# Altium PCB HAWACO_DATALOGER_DT-G2_V1.0.PcbDoc (part 2 of 3)
Units mm, origin at the board's own origin, x right, y up, seen from the top; angles counter-clockwise.
Board outline 100 x 100 mm, 4 copper layers (Top Layer, Layer 2, Layer 3, Bottom Layer), stack 1.597 mm thick; 246 components, 185 nets, 854 pads, 980 vias.
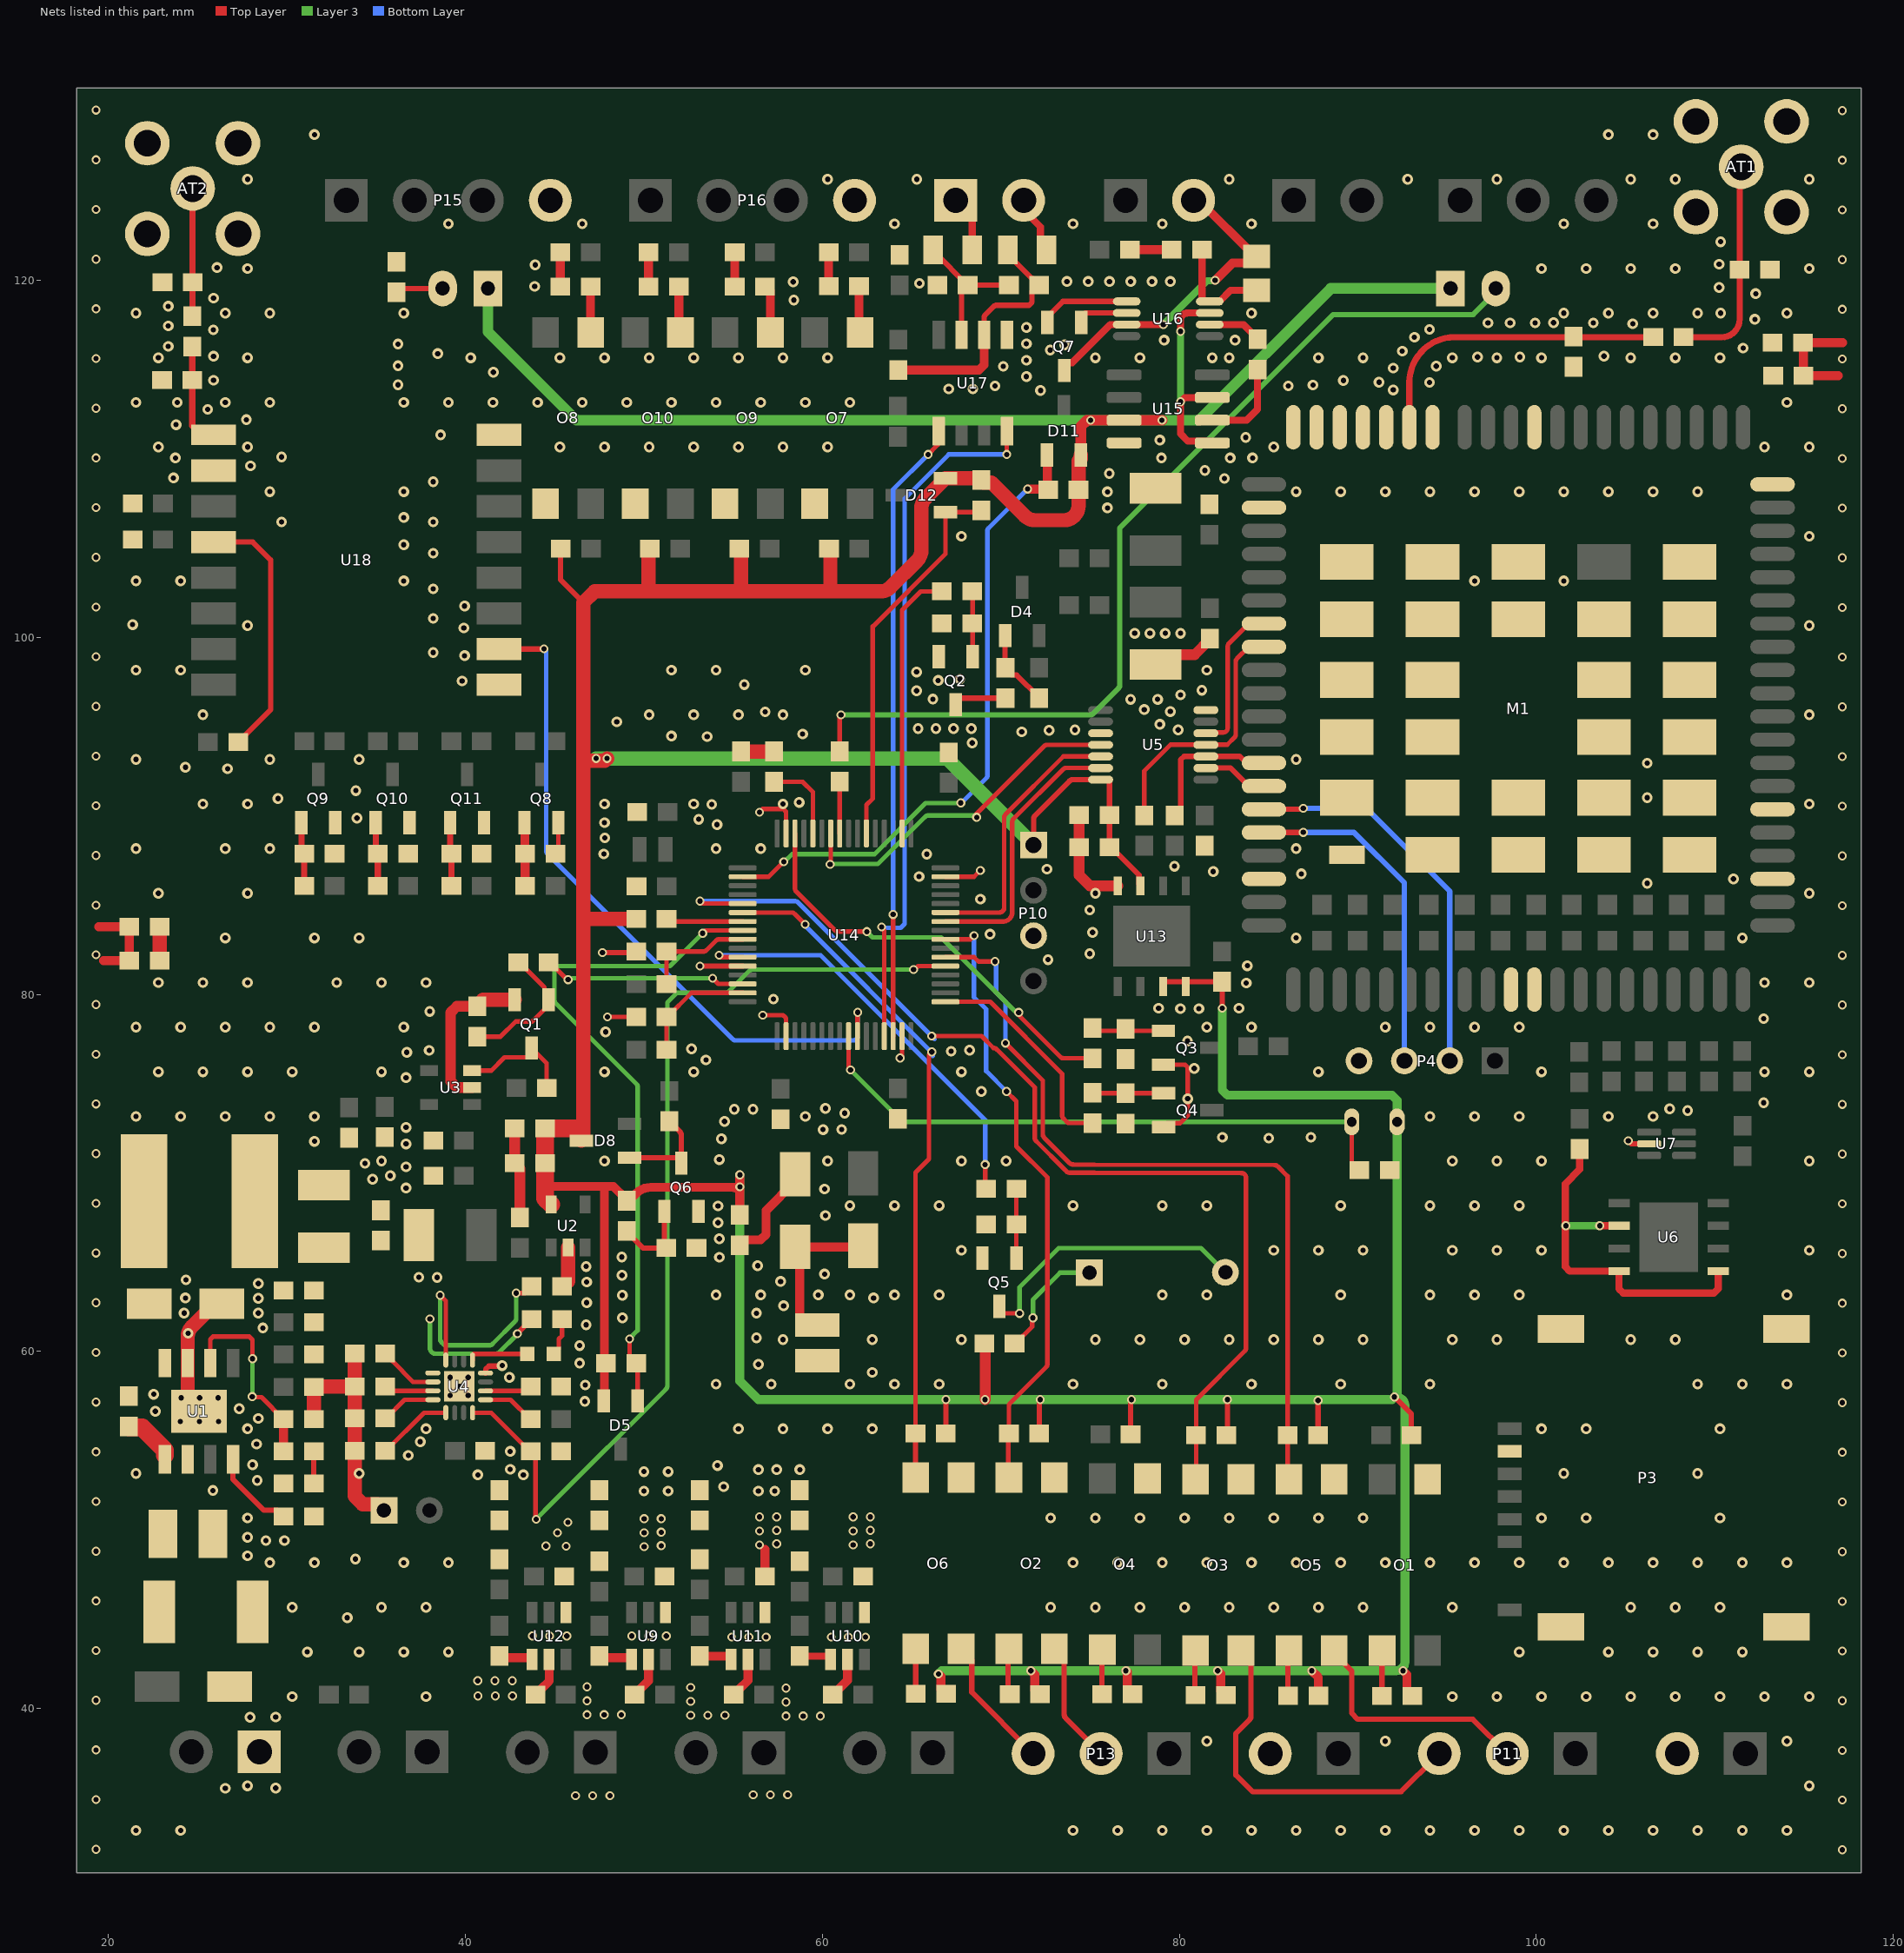
[diagram p4: the nets of this part, all layers, seen from the top]

## Via types
v1: diameter 0.6, hole 0.3, Top Layer to Bottom Layer, tented both sides, 674 vias
v2: diameter 0.5, hole 0.3, Top Layer to Bottom Layer, tented both sides, 306 vias

## Nets (pads, with @x,y where several pads share a name; then routed paths per layer and width w, separated by ;. In a path a pad name is that pad's centre, name@x,y a point inside that pad or via, vN(x,y) a via of type N, cw(c..) or ccw(c..) an arc to the next point about the centre after c; other vN are vias at no path point) (continued)
+3V3: C14.2 C15.2 C20.1 C39.2 D5.2 D6.1 D7.1 D8.3 D11.2 D12.2 P10.1 R35.2 R46.2 R49.1 R50.1 R53.1 R54.1 R55.1 R58.2 R59.1 R61.1 R62.1 R63.1 R66.1 R67.1 R68.1 R69.1 R72.2 R73.1 R74.1 R79.2 R83.2 R87.2 R92.2 R100.2 R112.2 U2.5 U5.14 U13.3 U13.7 U13.8 U15.3 | length 373.2
  Top Layer w0.254: 44.461,69.342 44.562,69.241
  Top Layer w0.3: R87.2@45.332,104.966 45.332,103.223 46.604,101.951 ; R92.2@55.34,104.966 R92.2@55.44,104.866 ; 63.2,102.714 63.332,102.582 ; R67.1@66.915,55.397 v2(66.915,57.302) ; P10.1@71.831,88.367 71.831,89.812 cw(c72.131,89.812) 71.919,90.025 73.837,91.942 cw(c74.049,91.73) 74.049,92.03 U5.14@75.587,92.03 75.698,92.03 75.705,92.037 76.016,92.037 76.085,91.968 76.085,88.29 76.135,88.29 77.741,86.684 77.741,86.159 U13.3@77.816,86.084 ; R50.1@72.148,55.397 72.148,57.252 v2(72.198,57.302) ; R61.1@77.267,55.347 77.267,57.252 v2(77.317,57.302) ; U13.7@79.086,80.444 79.086,80.634 79.161,80.709 R55.1@82.398,80.709 v2(82.398,79.229) ; R59.1@82.638,55.296 82.688,55.346 v2(82.688,57.302) ; R66.1@87.769,55.296 v2(87.769,57.252) ; v2(92.051,57.449) 93.001,56.498 R49.1@93.001,55.296
  Top Layer w0.5: 44.562,69.241 47.783,69.241 ; D5.2@47.746,57.225 47.783,57.263 47.783,69.241 ; R74.1@48.943,68.593 48.296,69.241 47.783,69.241 ; R74.1@49.047,68.439 ccw(c48.971,68.832) 49.254,68.549 49.548,68.843 cw(c50.385,68.007) 50.388,69.19 54.965,69.19 cw(c54.965,68.69) 55.318,69.043 v2@55.372,69.097 ; R72.2@55.372,67.652 v2@55.372,69.097 ; v2(55.372,69.89) v2(55.372,69.215) v2@55.372,69.097 ; v2(66.497,41.933) 66.635,41.795 66.635,41.061 66.885,40.811 R69.1@66.935,40.811 ; v2(71.679,42.111) 71.899,41.891 71.899,41.042 72.149,40.792 R54.1@72.199,40.792 ; v2(77.005,42.111) 77.08,42.036 77.08,41.042 77.33,40.792 R63.1@77.38,40.792 ; v2(82.144,42.111) 82.313,41.942 82.313,40.992 82.563,40.742 R62.1@82.613,40.742 ; v2(87.413,42.111) 87.788,41.736 R68.1@87.788,40.71 ; v2(92.532,42.111) 92.752,41.891 92.752,40.941 93.002,40.691 R53.1@93.052,40.691
  Top Layer w0.6: R35.2@69.067,60.452 R35.2@69.067,60.452 69.076,60.429 cw(c68.516,60.214) 69.116,60.214 v2(69.116,57.302) ; D11.2@74.472,110.221 74.472,111.815 74.823,112.166 v2(75.022,112.166) U15.3@76.905,112.166 v2(79.025,112.166)
  Top Layer w0.8: D8.3@46.494,71.8 46.604,71.91 46.604,84.235 ; v2(47.934,93.218) 47.809,93.093 46.604,93.093 ; R73.1@49.565,84.235 46.604,84.235 ; R100.2@50.336,104.966 50.259,104.89 50.259,102.578 ; R92.2@55.44,104.866 55.44,102.582 ; R79.2@60.369,104.966 60.443,104.892 60.443,102.582 ; 63.253,102.578 ccw(c63.253,103.378) 63.818,102.812 65.309,104.303 ccw(c64.743,104.869) 65.543,104.869 65.543,107.234 cw(c66.343,107.234) 65.778,107.8 D12.2@66.893,108.916 68.9,108.916 68.9,108.774 68.993,108.681 69.466,108.681 71.347,106.8 ccw(c71.912,107.366) 71.912,106.566 73.546,106.566 ccw(c73.546,107.366) 74.346,107.366 R83.2@74.346,108.269 74.346,109.896 74.472,110.021 D11.2@74.472,110.221 ; 63.332,102.582 60.443,102.582 ; 46.604,84.235 46.604,93.093 ; 46.604,93.093 46.604,101.951 47.232,102.578 50.259,102.578 ; 50.259,102.578 55.44,102.578 55.44,102.582 ; 55.44,102.582 60.443,102.582
  Top Layer w1: U2.5@44.795,68.231 44.461,68.565 44.461,69.342 C15.2@44.461,70.536 C14.2@44.461,72.492 46.395,72.492
  Layer 3 w0.5: v2(55.372,69.89) v2(55.372,69.215) 55.372,58.344 56.413,57.302 v2(66.915,57.302) v2(69.116,57.302) v2(72.198,57.302) v2(77.317,57.302) v2(82.688,57.302) 91.904,57.302 v2(92.051,57.449) cw(c92.134,56.956) 92.634,56.956 92.634,42.611 cw(c92.134,42.611) 92.134,42.111 v2(87.413,42.111) v2(82.144,42.111) v2(77.005,42.111) v2(71.679,42.111) 66.675,42.111 v2(66.497,41.933) ; v2(82.398,79.229) 82.398,74.65 82.69,74.357 91.904,74.357 92.197,74.064 R58.2@92.197,72.857 v2@92.197,57.595
  Layer 3 w0.6: D7.1@41.258,119.548 41.258,117.12 46.212,112.166 v2(75.022,112.166) v2(79.025,112.166) 81.101,112.166 88.482,119.548 D6.1@95.191,119.548
  Layer 3 w0.8: v2(47.32,93.218) v2(47.934,93.218) 66.98,93.218 P10.1@71.831,88.367
+5V: C2.1 C3.2 C4.2 C5.2 L1.2 R2.2 R16.2 U4.13 | length 8.3
  Top Layer w0.3: v2(42.907,60.993) 42.964,61.073 R16.2@43.706,61.815
  Layer 3 w0.254: v2(38.008,61.815) 38.008,60.184 ccw(c38.308,60.185) 38.095,59.973 38.113,59.955 ccw(c38.325,60.167) 38.325,59.867 41.686,59.867 ccw(c41.686,60.167) 41.898,59.955 42.844,60.901 ccw(c42.632,61.113) 42.9,60.979 42.907,60.991 v2(42.907,60.993)
A: F3.2 P19.2 | length 3.3
  Top Layer w0.4: P19.2@71.272,124.485 71.272,123.944 72.215,123.002 72.215,122.053 F3.2@72.565,121.703
ADC_24V: R51.1 R56.2 U14.15 | length 6.7
  Top Layer w0.254: R51.1@51.265,76.907 R56.2@51.265,78.739 51.315,78.739 52.663,80.087 U14.15@55.534,80.087
ADC_VBAT: R52.1 R57.2 U14.9 | length 6.4
  Top Layer w0.254: R52.1@51.265,80.571 R57.2@51.265,82.403 53.322,82.403 ccw(c53.322,82.657) 53.502,82.477 54.037,83.012 cw(c54.218,82.833) 54.216,83.087 ; 54.218,83.087 U14.9@55.534,83.087
AGND: C29.2 C30.2 C31.2 C32.2 C34.1 C35.1 C36.1 C37.1 L4.2 L5.2 L6.2 L7.2 R42.1 R43.1 R44.1 R45.1 U9.2 U9.4 U10.2 U10.4 U11.2 U11.4 U12.2 U12.4 | length 10.8
  Top Layer w0.5: R45.1@43.916,40.775 43.966,40.775 44.216,41.025 44.216,41.062 44.69,41.536 U12.2@44.69,42.746 ; R42.1@49.472,40.775 49.522,40.775 49.772,41.025 49.772,41.062 50.26,41.549 U9.2@50.26,42.746 ; R44.1@55.028,40.775 55.078,40.775 55.328,41.025 55.328,41.062 55.829,41.563 U11.2@55.829,42.746 ; C31.2@56.775,47.387 56.779,47.391 56.779,48.906 ; R43.1@60.584,40.775 60.634,40.775 60.884,41.025 60.884,41.062 61.399,41.577 U10.2@61.399,42.746
  other v2: 46.165,35.108 47.129,35.108 48.093,35.108 56.122,35.159 57.086,35.159 58.05,35.159 57.957,39.574 58.921,39.574 59.885,39.574 52.614,39.614 53.578,39.614 54.542,39.614 46.805,39.646 47.769,39.646 48.733,39.646 57.957,40.355 52.614,40.395 46.805,40.426 40.704,40.696 41.668,40.696 42.632,40.696 57.957,41.135 52.614,41.175 46.805,41.207 40.689,41.554 41.654,41.554 42.618,41.554 54.918,43.995 55.882,43.995 56.846,43.995 60.488,43.995 61.452,43.995 62.416,43.995 43.751,44.061 44.715,44.061 45.679,44.061 49.321,44.061 50.285,44.061 51.249,44.061 50.008,49.056 44.505,49.097 45.64,49.087 50.967,49.116 56.474,49.156 61.724,49.156 57.433,49.216 62.683,49.216 45.156,49.841 50.008,49.841 50.967,49.87 56.474,49.941 61.724,49.941 57.433,49.97 62.683,49.97 45.74,50.422 50.008,50.625 50.967,50.625 56.474,50.725 57.433,50.725 61.724,50.725 62.683,50.725
B: F2.2 P19.1 | length 3.2
  Top Layer w0.4: P19.1@67.462,124.485 68.393,123.554 F2.2@68.393,121.703
BAT_CHRG: D3.2 U4.9 | length 3.4
  Top Layer w0.254: U4.9@40.398,59.516 40.398,59.794 40.463,59.859 D3.2@43.456,59.859
BUSY: U14.26 U18.10 | length 38.6
  Top Layer w0.254: U14.26@61.964,77.657 61.964,78.982 v2(61.976,78.994)
  Top Layer w0.3: U18.10@41.884,99.343 44.378,99.343 v2(44.399,99.365)
  Bottom Layer w0.254: v2(44.399,99.365) 44.452,99.312 cw(c44.272,99.133) 44.526,99.133 44.526,88.038 ccw(c44.78,88.04) 44.601,87.86 54.967,77.494 ccw(c55.147,77.673) 55.147,77.419 61.722,77.419 ccw(c61.722,77.673) 61.976,77.673 v2(61.976,78.994)
BUZZER: R41.1 U14.11 | length 24
  Top Layer w0.254: v2(54.209,82.197) 54.319,82.087 U14.11@55.534,82.087 ; v2(69.118,70.468) 69.118,69.16 R41.1@69.168,69.11
  Bottom Layer w0.254: v2(54.209,82.197) 59.894,82.197 69.118,72.973 v2(69.118,70.468)
CIR1: O3.2 P11.3 | length 20.3
  Top Layer w0.3: O3.2@83.414,43.236 84.014,42.636 84.014,39.574 cw(c83.714,39.574) 83.926,39.362 83.163,38.599 83.163,36.271 84.102,35.331 92.424,35.331 94.385,37.292 94.564,37.292 P11.3@94.564,37.471
CIR2: O6.2 P13.3 | length 7.5
  Top Layer w0.3: O6.2@67.767,43.338 68.367,42.738 68.367,40.91 P13.3@71.806,37.471
CIRIN1: O3.4 R59.2 U14.5 | length 59.7
  Top Layer w0.254: v2(53.135,85.224) 53.156,85.224 53.293,85.087 U14.5@55.534,85.087 ; v2(66.123,77.666) 66.129,77.66 68.922,77.66 69.582,77 cw(c69.581,76.746) 69.76,76.926 ; 69.761,76.926 71.895,74.791 71.895,71.97 ccw(c72.149,71.97) 71.97,71.79 73.566,70.194 73.672,70.088 ; 73.672,70.088 ccw(c73.851,70.268) 73.85,70.014 75.232,70.014 cw(c75.232,69.306) 75.236,70.014 83.48,69.988 ; O3.4@80.874,52.827 80.938,52.891 R59.2@80.938,55.296 80.938,57.291 83.66,60.012 ccw(c83.48,60.192) 83.734,60.192 83.734,69.734 83.734,69.736 ccw(c83.48,69.733) 83.661,69.911 ccw(c83.479,69.734) 83.48,69.988
  Bottom Layer w0.254: v2(53.135,85.224) 58.459,85.224 cw(c58.459,84.97) 58.611,85.173 58.615,85.171 cw(c58.463,84.967) 58.64,85.149 58.642,85.148 66.291,77.498 v2(66.123,77.666)
CIRIN2: O6.4 R67.2 U14.6 | length 38.3
  Top Layer w0.254: U14.6@55.534,84.587 58.259,84.587 cw(c58.259,84.333) 58.439,84.512 v2(59.03,83.922) ; R67.2@65.215,55.397 65.215,70.016 65.975,70.776 65.975,76.621 v2(66.131,76.776)
  Top Layer w0.3: R67.2@65.215,55.397 65.215,52.94 O6.4@65.227,52.928
  Bottom Layer w0.254: v2(59.03,83.922) ccw(c59.282,83.953) 59.102,83.773 66.099,76.776 v2(66.131,76.776) ; v2@66.044,76.689 v2@66.171,76.562
DIR1: O5.2 P11.2 | length 13.6
  Top Layer w0.3: O5.2@88.621,43.236 88.621,43.136 89.651,42.106 89.651,39.737 89.992,39.395 96.45,39.395 P11.2@98.374,37.471
DIR2: O2.2 P13.2 | length 7
  Top Layer w0.3: O2.2@72.949,43.338 73.549,42.738 73.549,39.662 ccw(c73.849,39.662) 73.637,39.45 P13.2@75.616,37.471
DIRIN1: O5.4 R66.2 U14.38 | length 45.4
  Top Layer w0.254: U14.38@66.894,82.087 68.493,82.087 68.742,81.839 v2(69.672,81.839) ; v2(70.252,77.272) 72.349,75.175 72.349,72.158 ccw(c72.603,72.158) 72.424,71.978 73.86,70.542 ccw(c74.039,70.722) 74.038,70.468 75.23,70.468 cw(c75.232,69.306) 75.237,70.468 85.334,70.441 cw(c85.334,70.187) 85.513,70.366 ; 85.514,70.366 86.069,69.811 R66.2@86.069,55.296 86.069,52.838 O5.4@86.081,52.827
  Bottom Layer w0.254: v2(69.672,81.839) 69.728,81.783 69.728,80.121 70.252,79.596 v2(70.252,77.272)
DIRIN2: O2.4 R50.2 U14.40 | length 34.6
  Top Layer w0.254: U14.40@66.894,83.087 68.291,83.087 68.49,83.287 v2(68.496,83.287) ; v2(70.318,74.567) 70.868,74.017 70.868,71.486 72.603,69.751 72.603,59.297 cw(c72.349,59.297) 72.529,59.118 70.522,57.111 ccw(c70.702,56.931) 70.448,56.931 R50.2@70.448,55.397 70.409,55.358 O2.4@70.409,52.928
  Bottom Layer w0.254: v2(68.496,83.287) 68.49,83.281 68.49,79.85 69.176,79.164 69.176,75.709 v2(70.318,74.567)
DM: M1.70 P4.3 | length 19
  Top Layer w0.305: M1.70@84.737,89.07 84.741,89.074 86.94,89.074 v2(86.944,89.078)
  Bottom Layer w0.305: v2(86.944,89.078) 89.779,89.078 92.607,86.25 P4.3@92.607,76.279
DP: M1.69 P4.2 | length 21.9
  Top Layer w0.3: M1.69@84.737,90.37 86.89,90.37 v2(86.944,90.424)
  Bottom Layer w0.3: v2(86.944,90.424) 90.5,90.424 95.147,85.778 P4.2@95.147,76.279
"EN_4-20mA IN": D5.1 R46.1 U14.8 | length 38.3
  Top Layer w0.254: v2(49.193,60.699) 49.193,59.707 49.566,59.334 R46.1@49.568,59.334 ; R46.1@49.296,59.607 R46.1@49.568,59.334 ; D5.1@49.646,57.225 49.646,59.257 R46.1@49.568,59.334 ; v2(53.293,83.425) 53.456,83.587 U14.8@55.534,83.587
  Layer 3 w0.254: v2(49.193,60.699) 49.193,60.725 49.646,61.177 49.646,74.811 ccw(c49.392,74.811) 49.57,74.992 45.058,79.505 cw(c45.237,79.684) 44.983,79.684 44.983,81.339 cw(c45.237,81.339) 45.237,81.593 51.461,81.593 v2(53.293,83.425)
EN_LORA: R7.1 U14.14 | length 11.4
  Top Layer w0.254: R7.1@44.665,81.802 44.715,81.802 45.693,80.825 v2(45.754,80.825) ; v2(53.848,80.901) 54.162,80.587 U14.14@55.534,80.587
  Layer 3 w0.254: v2(45.754,80.825) 45.831,80.901 v2(53.848,80.901)
EN_OUT4-20mA: D11.1 R83.1 U14.2 | length 36.2
  Top Layer w0.254: U14.2@55.534,86.587 56.982,86.587 57.827,87.432 v2(57.831,87.432)
  Top Layer w0.5: v2(71.496,108.311) R83.1@72.605,108.311 ; D11.1@72.572,110.221 72.609,110.184 72.609,108.315 R83.1@72.605,108.311 ; R83.1@72.646,108.269 R83.1@72.605,108.311
  Layer 3 w0.254: v2(57.831,87.432) 57.871,87.432 58.297,87.859 62.926,87.859 65.778,90.71 67.733,90.71 v2(67.755,90.732)
  Bottom Layer w0.254: v2(67.755,90.732) 67.799,90.732 69.168,92.101 ccw(c68.989,92.281) 69.243,92.281 69.243,105.952 cw(c69.497,105.952) 69.317,106.131 v2(71.496,108.311)
EN_RS485: D12.1 R112.1 U14.54 | length 21.9
  Top Layer w0.254: U14.54@62.464,89.017 62.464,90.616 62.822,90.974 62.822,100.608 66.893,104.68 D12.1@66.893,107.016 68.793,107.016 R112.1@68.893,107.116
GND: AT1.2 AT2.2 C2.2 C3.1 C4.1 C6.1 C8.1 C9.2 C10.2 C11.1 C12.1 C13.1 C14.1 C15.1 C16.1 C17.1 C18.1 C19.2 C20.2 C22.2 C23.2 C24.2 C25.2 C33.1 C38.1 C39.1 C40.1 C41.1 C42.1 C43.1 C44.1 C45.1 C46.2 C48.1 C49.1 C50.1 D2.1 L4.1 L5.1 L6.1 L7.1 M1.8 M1.9 M1.19 M1.22 M1.36 M1.46 M1.48 M1.50 M1.51 M1.52 M1.53 M1.54 M1.56 M1.72 M1.85 M1.86 M1.87 M1.89 M1.90 M1.91 M1.92 M1.93 M1.94 M1.95 M1.96 M1.97 M1.98 M1.99 M1.100 M1.101 M1.102 M1.103 M1.104 M1.105 M1.106 M1.107 M1.108 M1.109 M1.110 M1.111 M1.112 O1.3 O2.3 O3.3 O4.3 O5.3 O6.3 O7.3 O8.3 O9.3 O10.3 P1.1 P2.1 P3.5 P3.8 P3.9 P4.4 P9.2 P10.3 P12.2 P15.4 P16.4 Q1.2 Q2.2 Q3.2 Q4.2 Q5.2 Q6.2 Q8.2 Q9.2 Q10.2 Q11.2 R3.1 R4.1 R6.2 R9.1 R10.2 R11.2 R12.1 R13.1 R14.1 R15.1 R24.1 R25.1 R26.1 R29.1 R30.1 R36.1 R47.1 R48.1 R56.1 R57.1 R60.1 R65.1 R71.2 R75.1 R88.1 R89.1 R99.1 R101.1 R104.2 R108.1 R109.1 U1.7 U1.9 U2.2 U3.2 U4.8 U4.17 U5.7 U7.2 U13.4 U14.12 U14.18 U14.31 U14.47 U14.63 U15.4 U17.5 U18.2 U18.9 U18.16 | length 75.1
  Top Layer w0.254: R88.1@45.04,87.871 45.205,88.037 Q8.2@45.205,89.621 ; v2(47.955,78.739) R56.1@49.565,78.739 ; v2(56.478,90.21) 56.654,90.386 57.815,90.386 57.964,90.237 U14.63@57.964,89.017 ; v2(56.658,78.835) 57.71,78.835 cw(c57.71,78.581) 57.964,78.581 U14.18@57.964,77.657 ; v2(64.354,76.44) 64.464,76.55 U14.31@64.464,77.657 ; U14.47@66.894,86.587 68.49,86.587 v2(68.85,86.947) ; Q3.2@79.101,76.058 80.316,76.058 80.465,75.909 80.465,73.214 80.038,72.787 79.338,72.787 Q4.2@79.115,72.564
  Top Layer w0.3: U4.8@41.123,58.791 41.132,58.8 41.132,59 41.308,59.176 42.028,59.176 v1(42.058,59.205) ; v2(47.676,82.347) 49.509,82.347 R57.1@49.565,82.403 ; v2(53.135,81.587) U14.12@55.534,81.587 ; v2(105.15,71.802) 105.321,71.631 U7.2@106.32,71.631
  Top Layer w0.6: U3.2@40.367,74.778 39.518,74.778 39.167,75.129 39.167,78.985 39.518,79.336 R9.1@40.665,79.336 ; C14.1@42.761,72.492 C15.1@42.761,70.536 42.811,70.536 43.011,70.336 43.011,70.286 43.053,70.244 C11.1@43.053,67.5 ; C20.2@74.385,88.24 74.387,88.242 C20.2@74.387,88.288 ; C20.2@74.385,88.29 C20.2@74.387,88.288 ; C39.1@74.39,90.047 74.387,90.044 C20.2@74.387,88.288 ; U13.4@76.546,86.084 74.98,86.084 74.385,86.679 74.385,88.09 74.485,88.19 C20.2@74.387,88.288 ; C22.2@78.664,98.478 79.219,99.033 80.858,99.033 81.712,99.887 C24.2@81.712,99.937
  Top Layer w0.8: C38.1@22.866,81.89 R48.1@22.866,83.795 ; U1.9@25.07,56.648 24.435,57.283 U1.7@24.435,59.348 24.435,60.819 cw(c25.235,60.819) 24.669,61.385 D2.1@25.696,62.412 ; C8.1@31.5,56.201 R3.1@31.502,58.007 ; R3.1@31.502,58.007 31.519,58.024 33.78,58.024 R11.2@33.797,58.041 ; R10.2@33.797,54.437 R15.1@33.797,59.872 ; R10.2@33.797,54.437 33.797,51.888 34.245,51.44 35.084,51.44 P2.1@35.434,51.09 ; R9.1@40.665,79.336 40.665,79.386 40.977,79.698 Q1.2@42.752,79.698 ; R12.1@45.405,63.644 45.455,63.644 45.745,63.934 U2.2@45.745,65.831 ; C44.1@55.432,93.612 R71.2@57.288,93.612
  other v1: 21.54,33.165 24.04,33.165 74.04,33.165 76.54,33.165 79.04,33.165 81.54,33.165 84.04,33.165 86.54,33.165 89.04,33.165 91.54,33.165 94.04,33.165 96.54,33.165 99.04,33.165 101.54,33.165 104.04,33.165 106.54,33.165 109.04,33.165 111.54,33.165 114.04,33.165 26.543,35.527 29.362,35.536 27.79,35.665 115.29,35.665 81.54,38.165 91.54,38.165 114.04,38.165 27.927,39.506 29.368,39.517 30.29,40.665 37.79,40.665 95.29,40.665 97.79,40.665 100.29,40.665 102.79,40.665 105.29,40.665 107.79,40.665 110.29,40.665 112.79,40.665 115.29,40.665 31.136,43.165 34.04,43.165 36.54,43.165 39.04,43.165 99.04,43.165 104.04,43.165 106.54,43.165 109.04,43.165 111.54,43.165 33.377,45.078 30.29,45.665 35.29,45.665 37.79,45.665 72.79,45.665 75.29,45.665 77.79,45.665 80.29,45.665 82.79,45.665 85.29,45.665 87.79,45.665 90.29,45.665 95.29,45.665 105.29,45.665 107.79,45.665 110.29,45.665 29.04,48.165 31.54,48.165 36.54,48.165 39.04,48.165 74.04,48.165 76.54,48.165 79.04,48.165 81.54,48.165 84.04,48.165 86.54,48.165 89.04,48.165 91.54,48.165 94.04,48.165 96.54,48.165 99.04,48.165 101.54,48.165 104.04,48.165 106.54,48.165 109.04,48.165 111.54,48.165 114.04,48.165 33.838,48.368 27.79,48.547 28.821,49.403 29.859,49.403 27.79,49.584 27.79,50.665 72.79,50.665 75.29,50.665 77.79,50.665 80.29,50.665 82.79,50.665 85.29,50.665 87.79,50.665 90.29,50.665 100.29,50.665 102.79,50.665 110.29,50.665 49.996,52.174 51.358,52.174 56.413,52.174 57.325,52.174 25.848,52.21 54.465,52.425 28.33,52.777 40.691,53.086 43.247,53.085 21.54,53.165 34.04,53.165 101.54,53.165 109.04,53.165 49.996,53.268 51.358,53.268 56.413,53.375 57.433,53.375 58.732,53.375 42.506,53.398 54.12,53.608 28.07,53.653 36.799,54.178 42.506,54.398 28.291,54.807 37.468,54.938 27.79,55.665 37.79,55.665 55.29,55.665 57.79,55.665 60.29,55.665 62.79,55.665 100.29,55.665 102.79,55.665 110.29,55.665 24.028,56.073 25.095,56.073 26.163,56.073 28.394,56.246 22.62,56.648 27.325,56.788 46.685,57.201 24.074,57.398 25.107,57.398 26.14,57.398 22.53,57.6 46.711,58.115 54.04,58.165 57.128,58.165 61.54,58.165 64.04,58.165 66.54,58.165 74.04,58.165 79.04,58.165 84.04,58.165 89.04,58.165 94.04,58.165 109.04,58.165 111.54,58.165 114.04,58.165 42.457,58.542 62.79,58.827 56.413,59.277 46.395,59.341 46.395,60.326 57.79,60.665 62.79,60.665 67.79,60.665 75.29,60.665 77.79,60.665 80.29,60.665 82.79,60.665 85.29,60.665 87.79,60.665 90.29,60.665 95.29,60.665 97.79,60.665 105.29,60.665 107.79,60.665 56.302,60.757 24.458,61.011 28.65,61.312 46.761,61.493 48.797,61.877 56.302,62.141 24.235,62.146 28.394,62.146 57.83,62.553 46.791,62.733 28.394,62.971 24.308,62.992 62.865,62.992 48.787,63.144 54.04,63.165 56.54,63.165 59.768,63.165 61.54,63.165 64.04,63.165 66.54,63.165 79.04,63.165 81.54,63.165 89.04,63.165 94.04,63.165 96.54,63.165 99.04,63.165 114.04,63.165 28.394,63.805 46.791,63.891 57.653,63.918 24.335,64.012 38.409,64.144 37.389,64.156 48.769,64.261 60.119,64.334 46.761,64.759 56.372,64.802 48.756,65.29 54.229,65.278 67.79,65.665 85.29,65.665 87.79,65.665 90.29,65.665 95.29,65.665 97.79,65.665 100.29,65.665 115.29,65.665 54.224,66.306 54.153,67.208 60.17,67.61 54.153,68.148 61.54,68.165 64.04,68.165 66.54,68.165 74.04,68.165 79.04,68.165 81.54,68.165 89.04,68.165 94.04,68.165 96.54,68.165 99.04,68.165 60.119,69.097 36.667,69.151 34.793,69.642 35.789,69.842 36.667,70.342 34.373,70.533 35.29,70.665 47.79,70.665 60.29,70.665 67.79,70.665 70.29,70.665 95.29,70.665 97.79,70.665 100.29,70.665 115.29,70.665 54.224,70.745 36.667,71.623 31.54,71.769 54.338,71.912 85.009,71.943 82.411,71.999 87.369,71.999 60.034,72.428 61.074,72.436 36.667,72.547 54.518,72.886 21.54,73.165 24.04,73.165 26.54,73.165 29.04,73.165 31.54,73.165 59.04,73.165 94.04,73.165 96.54,73.165 99.04,73.165 104.04,73.165 106.54,73.165 61.25,73.349 108.48,73.49 55.06,73.563 56.114,73.563 107.474,73.587 60.171,73.61 112.734,73.928 80.465,74.157 68.901,74.567 36.667,75.336 22.79,75.665 25.29,75.665 27.79,75.665 30.29,75.665 35.29,75.665 47.79,75.665 52.79,75.665 67.79,75.665 87.79,75.665 100.29,75.665 112.79,75.665 115.29,75.665 80.832,75.851 53.476,76.325 36.714,76.751 67.214,76.813 37.967,76.863 68.248,76.877 52.663,76.947 80.451,77.389 47.85,77.902 21.54,78.165 24.04,78.165 26.54,78.165 29.04,78.165 31.54,78.165 36.54,78.165 81.54,78.165 84.04,78.165 91.54,78.165 94.04,78.165 96.54,78.165 99.04,78.165 112.734,78.64 37.997,79.048 80.058,79.205 81.096,79.205 78.837,79.229 83.337,79.229 57.258,79.739 83.75,80.634 22.79,80.665 25.29,80.665 27.79,80.665 32.79,80.665 35.29,80.665 37.79,80.665 112.79,80.665 115.29,80.665 83.809,81.605 72.644,81.947 74.98,82.282 26.54,83.165 31.54,83.165 34.04,83.165 86.54,83.165 111.54,83.165 69.391,83.369 75.133,83.472 74.98,84.729 68.85,85.337 22.79,85.665 27.79,85.665 75.29,85.665 115.29,85.665 106.211,86.228 111.049,86.47 65.418,86.599 86.833,86.753 81.898,86.881 72.581,87.017 79.726,87.18 47.752,87.871 65.845,87.859 21.54,88.165 26.54,88.165 29.04,88.165 54.04,88.165 56.54,88.165 86.54,88.165 47.81,88.771 54.093,89.51 47.79,89.624 53.07,89.811 33.915,89.878 53.795,90.639 25.29,90.665 27.79,90.665 47.79,90.665 52.79,90.665 57.79,90.665 115.29,90.665 58.696,90.758 29.495,90.971 106.211,91.02 33.858,91.415 26.669,92.636 24.308,92.725 106.211,92.955 21.54,93.165 29.04,93.165 34.04,93.165 86.54,93.165 68.394,94.09 53.543,94.437 51.54,94.472 58.892,94.59 71.167,94.71 72.703,94.795 74.151,94.817 79.934,94.817 65.364,94.888 66.356,94.888 67.348,94.888 68.341,94.888 78.903,95.131 48.48,95.271 25.29,95.665 50.29,95.665 52.79,95.665 55.29,95.665 57.79,95.665 115.29,95.665 56.788,95.832 79.49,95.845 78.033,95.956 77.264,96.53 78.782,96.53 66.186,96.543 80.064,96.78 65.278,97.007 81.262,97.041 55.626,97.358 39.811,97.561 66.488,97.587 67.697,97.655 65.278,98.063 21.54,98.165 24.04,98.165 51.54,98.165 54.04,98.165 59.04,98.165 81.54,98.165 39.949,98.977 38.187,99.149 77.495,100.228 78.352,100.228 79.208,100.228 80.064,100.228 39.906,100.526 27.79,100.665 115.29,100.665 21.349,100.718 38.187,101.067 39.949,101.758 38.187,102.718 21.54,103.165 24.04,103.165 36.54,103.165 96.54,103.165 101.54,103.165 38.187,104.718 36.54,105.187 67.79,105.665 115.29,105.665 29.693,106.464 38.187,106.464 36.54,106.718 75.969,107.254 29.04,108.165 36.54,108.165 75.969,108.154 86.54,108.165 89.04,108.165 91.54,108.165 94.04,108.165 96.54,108.165 99.04,108.165 101.54,108.165 104.04,108.165 106.54,108.165 109.04,108.165 38.187,108.718 82.525,108.9 23.638,108.934 76.074,109.181 81.432,109.355 27.957,109.609 23.748,110.053 78.997,110.051 82.849,110.051 84.101,110.051 29.693,110.109 22.79,110.665 27.79,110.665 45.29,110.665 47.79,110.665 50.29,110.665 52.79,110.665 55.29,110.665 57.79,110.665 60.29,110.665 85.29,110.665 112.79,110.665 115.29,110.665 78.903,111.052 83.716,111.201 38.604,111.343 23.783,111.915 27.724,112.194 25.552,112.776 21.54,113.165 23.853,113.165 26.54,113.165 29.04,113.165 36.54,113.165 39.04,113.165 41.54,113.165 44.04,113.165 46.54,113.165 49.04,113.165 51.54,113.165 54.04,113.165 56.54,113.165 59.04,113.165 61.54,113.165 114.04,113.165 72.222,113.832 91.987,113.863 67.079,113.914 68.428,113.914 69.667,114.09 86.104,114.089 36.22,114.148 87.487,114.139 94.016,114.279 91.187,114.299 25.884,114.408 89.189,114.393 71.428,114.611 41.563,114.859 91.987,115.086 70.133,115.181 94.391,115.2 36.22,115.214 71.428,115.529 22.79,115.665 27.79,115.665 40.29,115.665 45.29,115.665 47.79,115.665 50.29,115.665 52.79,115.665 55.29,115.665 57.79,115.665 60.29,115.665 75.29,115.665 77.79,115.665 81.845,115.665 82.79,115.665 87.79,115.665 90.29,115.665 95.29,115.665 97.79,115.665 100.29,115.665 105.29,115.665 107.79,115.665 110.29,115.665 96.704,115.709 99.075,115.709 25.884,115.751 103.787,115.756 38.443,115.894 92.487,116.032 72.764,116.099 111.587,116.205 23.347,116.301 73.574,116.391 36.22,116.434 71.428,116.447 79.146,116.65 83.122,116.65 93.169,116.819 25.876,117.232 94.016,117.257 71.428,117.365 23.347,117.451 105.404,117.573 97.287,117.618 98.531,117.618 99.933,117.618 100.965,117.627 103.196,117.621 112.243,117.819 21.54,118.165 26.54,118.165 29.04,118.165 36.54,118.165 84.04,118.165 101.54,118.165 104.04,118.165 106.54,118.165 109.04,118.165 110.331,118.165 114.04,118.165 23.347,118.551 58.395,118.894 25.884,119.005 112.293,119.257 110.243,119.599 43.874,119.663 65.43,119.837 58.36,119.92 73.697,119.937 74.889,119.937 76.082,119.937 77.274,119.937 78.466,119.937 79.496,119.937 27.79,120.665 100.29,120.665 102.79,120.665 105.29,120.665 107.79,120.665 115.29,120.665 26.082,120.715 43.906,120.871 110.243,120.904 110.331,122.165 39.04,123.165 46.54,123.165 64.04,123.165 74.04,123.165 79.04,123.165 84.04,123.165 101.54,123.165 106.54,123.165 27.79,125.665 60.29,125.665 65.29,125.665 82.79,125.665 92.79,125.665 97.79,125.665 105.29,125.665 107.79,125.665 115.29,125.665 31.54,128.165 104.04,128.165 106.54,128.165
  other v2: 39.148,57.541 40.148,57.541 39.648,58.041 39.148,58.541 40.148,58.541
GND_ISO: U15.5 U15.7 U16.3 | length 12.1
  Top Layer w0.4: v2(80.064,117.14) 80.064,117.774 cw(c80.464,117.774) 80.465,118.174 U16.3@81.7,118.174 ; U15.5@81.845,110.896 81.74,111.001 80.467,111.001 80.064,111.405 v2(80.064,113.202) 80.298,113.436 U15.7@81.845,113.436
  Layer 3 w0.4: v2(80.064,113.202) v2(80.064,117.14)
GSM1_RI: U5.11 U14.58 | length 19.9
  Top Layer w0.254: v2(60.429,87.282) 60.429,87.302 60.464,87.337 v2@60.464,87.431 ; v2@60.464,87.432 U14.58@60.464,89.017 ; v2(68.64,89.92) 68.64,90.129 72.416,93.905 cw(c72.596,93.726) 72.595,93.98 ; 72.596,93.98 U5.11@75.587,93.98
  Layer 3 w0.254: v2(60.429,87.282) 60.45,87.302 63.006,87.302 ccw(c63.006,87.556) 63.186,87.377 65.758,89.95 cw(c65.938,89.77) 65.937,90.024 ; 65.938,90.025 68.535,90.025 v2(68.64,89.92)
GSM1_RX: U5.13 U14.42 | length 15.5
  Top Layer w0.254: U14.42@66.894,84.087 70.162,84.087 ccw(c70.161,84.341) 70.203,84.091 ccw(c70.116,84.602) 70.634,84.602 70.634,84.604 70.635,89.657 cw(c70.889,89.657) 70.709,89.836 73.485,92.612 cw(c73.665,92.433) 73.663,92.687 73.665,92.687 U5.13@75.705,92.687
GSM1_TX: U5.12 U14.43 | length 15.4
  Top Layer w0.254: U14.43@66.894,84.587 69.926,84.587 ccw(c69.926,84.841) 70.18,84.841 70.18,89.896 cw(c70.434,89.896) 70.255,90.076 73.509,93.33 U5.12@75.587,93.33
"GSM AT1": M1.49 R28.1 R29.2 | length 17.6
  Top Layer w0.35: M1.49@92.887,111.77 92.887,114.279 cw(c95.427,114.279) 95.427,116.819 R29.2@102.087,116.819 ; R29.2@102.087,116.859 ccw(c102.249,117.169) 102.249,116.819 R28.1@106.554,116.819
"GSM AT2": AT1.1 R28.2 R30.2 | length 12.3
  Top Layer w0.35: R28.2@108.254,116.819 110.393,116.819 ccw(c110.393,117.819) 111.393,117.819 111.393,126.133 cw(c111.743,126.133) AT1.1@111.481,126.365
GSM_RI: M1.62 R27.1 U5.4 | length 14.6
  Top Layer w0.254: R27.1@78.033,90.03 78.033,92.519 79.501,93.987 81.605,93.987 82.686,93.987 83.085,94.386 ccw(c82.906,94.566) 83.16,94.566 83.16,98.638 cw(c83.414,98.638) 83.234,98.817 83.887,99.47 M1.62@84.737,99.47
GSM_RX: M1.68 U5.2 | length 3.6
  Top Layer w0.3: U5.2@81.605,92.687 82.869,92.687 83.887,91.67 M1.68@84.737,91.67
GSM_STATUS: M1.61 U5.5 | length 8.4
  Top Layer w0.254: U5.5@81.605,94.637 81.642,94.675 82.452,94.675 ccw(c82.452,94.929) 82.706,94.929 82.706,98.638 cw(c83.414,98.638) 82.706,98.643 82.712,99.487 ccw(c82.458,99.49) 82.712,99.49 cw(c82.966,99.49) 82.786,99.67 83.887,100.77 M1.61@84.737,100.77
GSM_STATUS1: U5.10
GSM_TX: M1.67 R20.1 U5.3 | length 8.2
  Top Layer w0.3: R20.1@79.726,90.03 80.076,90.38 80.076,93.153 80.261,93.337 81.605,93.337 83.384,93.337 83.751,92.97 M1.67@84.737,92.97
ISET: R6.1 U4.16 | length 3.1
  Top Layer w0.254: R6.1@35.497,56.246 35.547,56.246 36.591,57.291 U4.16@38.173,57.291
LED1: R64.1 U14.57 | length 2.9
  Top Layer w0.254: U14.57@60.964,89.017 R64.1@60.964,91.912
MASS1: C33.2 R36.2 | length 6
  Top Layer w0.5: 116.916,114.656 C33.2@114.971,114.656 114.959,114.668 114.959,116.497 R36.2@114.946,116.51 117.17,116.51
  other v2: 117.145,32.08 117.145,34.864 117.145,37.648 117.145,40.431 117.145,43.215 117.145,45.999 117.145,48.783 117.145,51.567 117.145,54.351 117.145,57.135 117.145,59.918 117.145,62.702 117.145,65.486 117.145,68.27 117.145,71.054 117.145,73.838 117.145,76.621 117.145,79.405 117.145,82.189 117.145,84.973 117.145,87.757 117.145,90.541 117.145,93.324 117.145,96.108 117.145,98.892 117.145,101.676 117.145,104.46 117.145,107.244 117.145,110.027 117.145,112.811 117.145,115.595 117.145,118.379 117.145,121.163 117.145,123.947 117.145,126.731 117.145,129.514
MASS2: C38.2 R48.2 | length 5.1
  Top Layer w0.5: 19.456,83.795 R48.2@21.166,83.795 C38.2@21.166,81.89 19.71,81.89
  other v2: 19.304,32.106 19.304,34.889 19.304,37.673 19.304,40.457 19.304,43.241 19.304,46.025 19.304,48.809 19.304,51.592 19.304,54.376 19.304,57.16 19.304,59.944 19.304,62.728 19.304,65.512 19.304,68.296 19.304,71.079 19.304,73.863 19.304,76.647 19.304,79.431 19.304,82.215 19.304,84.999 19.304,87.782 19.304,90.566 19.304,93.35 19.304,96.134 19.304,98.918 19.304,101.702 19.304,104.485 19.304,107.269 19.304,110.053 19.304,112.837 19.304,115.621 19.304,118.405 19.304,121.188 19.304,123.972 19.304,126.756 19.304,129.54
MCU_RX2: U14.30 U17.1 | length 34.9
  Top Layer w0.254: U14.30@63.964,77.657 v2(63.964,84.477) ; v2(65.924,110.249) 66.448,110.773 ccw(c66.269,110.953) 66.523,110.953 U17.1@66.523,111.549
  Bottom Layer w0.254: v2(63.964,84.477) 63.964,108.289 v2(65.924,110.249)
MCU_TX2: U14.29 U17.4 | length 39.4
  Top Layer w0.254: v2(63.314,83.774) 63.39,83.699 cw(c63.21,83.519) 63.464,83.518 U14.29@63.464,77.657 ; v2(70.333,110.249) U17.4@70.333,111.549
  Bottom Layer w0.254: v2(63.314,83.774) 63.361,83.727 64.384,83.727 64.604,83.947 64.604,107.774 67.079,110.249 v2(70.333,110.249)
NetAT2_1: AT2.1 R106.2 R108.2 | length 7.2
  Top Layer w0.35: R106.2@24.689,118.001 24.701,118.013 R108.2@24.701,119.905 ; AT2.1@24.714,125.146 24.71,125.13 ccw(c25.051,125.052) 24.701,125.052 24.701,120.032 ccw(c25.051,120.032) R108.2@24.725,119.905
NetC1_1: C1.1 U1.1 | length 2.9
  Top Layer w1: C1.1@21.133,55.798 21.133,55.748 21.88,55.748 23.165,54.463 U1.1@23.165,54.178
NetC1_2: C1.2 D2.2 L1.1 U1.8
NetC6_2: C6.2 F1.2 U1.2
NetC7_1: C7.1 C8.2 U1.6 | length 11.1
  Top Layer w0.254: U1.6@25.705,59.348 25.705,60.679 25.854,60.828 27.89,60.828 28.07,60.648 v2(28.07,59.588) ; v2(28.051,57.468) 28.088,57.431 28.57,57.431 C8.2@29.8,56.201
  Top Layer w0.5: C7.1@29.8,54.407 C8.2@29.8,56.201
  Layer 3 w0.254: v2(28.051,57.468) 28.051,57.488 28.07,57.507 v2(28.07,59.588)
NetC7_2: C7.2 R4.2 | length 1.8
  Top Layer w0.3: C7.2@31.5,54.407 R4.2@31.502,52.598 R4.2@31.502,52.598
NetC9_1: C9.1 U1.4 | length 4.8
  Top Layer w0.3: U1.4@26.975,53.948 26.975,52.832 28.708,51.099 29.458,51.099 C9.1@29.808,50.749
NetC46_1: C46.1 D9.1 D10.2 | length 9.1
  Top Layer w0.508: C46.1@59.715,61.477 59.115,61.477 58.719,61.873 58.719,63.242 58.719,65.395 ccw(c58.211,65.395) 58.571,65.755 D10.2@58.468,65.857 58.719,65.857 62.225,65.857 D9.1@62.281,65.913
NetC47_1: C47.1 R77.1 U16.4 | length 6.2
  Top Layer w0.4: R77.1@81.266,121.717 81.266,118.847 81.289,118.824 U16.4@81.7,118.824 82.25,118.824 82.872,119.446 C47.1@84.328,119.446
NetC47_2: C47.2 P14.2 Q7.3 U16.7 | length 18.4
  Top Layer w0.4: Q7.3@73.547,114.945 73.547,115.245 73.697,115.395 73.997,115.395 76.117,117.515 77.04,117.515 U16.7@77.05,117.524 v2(79.101,117.524)
  Top Layer w0.5: P14.2@80.797,124.485 81.089,124.485 84.228,121.346 C47.2@84.328,121.346 83.956,120.974 82.971,120.974 v2(81.997,120)
  Layer 3 w0.4: v2(79.101,117.524) 81.557,119.981 81.978,119.981 v2(81.997,120)
NetD1_2: D1.2 F1.1
NetD3_1: D3.1 R16.1 | length 2.1
  Top Layer w0.254: D3.1@44.956,59.859 45.229,60.132 45.229,60.699 45.406,60.876 R16.1@45.406,61.815
NetD4_1: D4.1 R17.1 R18.2 | length 4.5
  Top Layer w0.3: D4.1@70.233,100.1 70.233,98.313 R18.2@70.254,98.293 70.254,98.243 70.604,97.893 70.883,97.893 72.133,96.643 R17.1@72.133,96.593
NetD6_2: D6.2 R64.2 | length 54
  Top Layer w0.254: R64.2@60.964,93.612 60.964,95.584 v2(61.036,95.656)
  Layer 3 w0.3: v2(61.036,95.656) 74.973,95.656 ccw(c74.973,95.956) 75.185,95.744 76.569,97.128 ccw(c76.357,97.341) 76.657,97.341 76.657,106.121 88.621,118.085 96.467,118.085 97.731,119.348 D6.2@97.731,119.548
NetD7_2: D7.2 R65.2 | length 2.7
  Top Layer w0.3: R65.2@36.141,119.337 36.352,119.548 D7.2@38.718,119.548
NetD8_1: D8.1 Q6.3 R70.1 | length 5.6
  Top Layer w0.3: D8.1@49.194,70.85 51.895,70.85 52.001,70.745 Q6.3@52.095,70.65 ; R70.1@51.43,72.894 52.007,72.317 cw(c51.795,72.104) 52.095,72.104 52.095,70.745 Q6.3@52.095,70.54
NetD10_1: D10.1 R72.1 | length 5.8
  Top Layer w0.5: R72.1@55.372,65.952 55.372,66.002 55.622,66.252 56.546,66.252 56.842,66.549 56.842,67.896 58.468,69.522 D10.1@58.468,69.922
NetF2_1: F2.1 R104.1 R107.2 U17.7 | length 8
  Top Layer w0.3: F2.1@66.209,121.703 ccw(c66.492,121.802) 66.28,121.59 R104.1@68.135,119.736 ; U17.7@67.793,116.949 67.793,119.394 R104.1@68.135,119.736 ; R107.2@70.448,119.736 R104.1@68.135,119.736
NetF3_1: F3.1 R107.1 R111.2 U17.6 | length 14.5
  Top Layer w0.3: U17.6@69.063,116.949 69.063,117.89 cw(c69.363,117.89) 69.151,118.102 69.567,118.519 cw(c69.779,118.306) 69.777,118.606 69.779,118.606 71.572,118.606 71.748,118.782 71.748,119.386 72.098,119.736 R107.1@72.148,119.736 71.798,120.086 71.747,120.086 70.38,121.453 F3.1@70.38,121.703
  Top Layer w0.5: R111.2@64.262,114.974 68.77,114.974 69.063,115.267 U17.6@69.063,116.949
NetO1_1: O1.1 R53.2 | length 2.6
  Top Layer w0.3: R53.2@91.352,40.691 91.352,43.224 O1.1@91.364,43.236
NetO2_1: O2.1 R54.2 | length 2.6
  Top Layer w0.3: O2.1@70.409,43.338 70.409,40.882 R54.2@70.499,40.792
NetO3_1: O3.1 R62.2 | length 2.5
  Top Layer w0.3: O3.1@80.874,43.236 80.874,40.781 R62.2@80.913,40.742
NetO4_1: O4.1 R63.2 | length 2.5
  Top Layer w0.3: O4.1@75.667,43.287 75.667,40.806 R63.2@75.68,40.792
NetO5_1: O5.1 R68.2 | length 2.5
  Top Layer w0.3: O5.1@86.081,43.236 86.081,40.717 R68.2@86.088,40.71
NetO6_1: O6.1 R69.2 | length 2.5
  Top Layer w0.3: O6.1@65.227,43.338 65.227,40.819 R69.2@65.235,40.811
NetO7_1: O7.1 R81.2 | length 2.6
  Top Layer w0.5: R81.2@62.049,119.666 62.049,117.148 O7.1@62.108,117.09
NetO8_1: O8.1 R91.2 | length 2.6
  Top Layer w0.5: R91.2@47.007,119.659 47.007,117.102 O8.1@47.02,117.09
NetO9_1: O9.1 R95.2 | length 2.7
  Top Layer w0.5: R95.2@56.786,119.659 56.829,119.659 57.079,119.409 O9.1@57.079,117.09
NetO10_1: O10.1 R103.2 | length 2.6
  Top Layer w0.5: R103.2@51.96,119.659 51.96,117.179 O10.1@52.049,117.09
NetQ1_1: Q1.1 R7.2 R9.2 | length 7.8
  Top Layer w0.254: R9.2@40.665,77.636 41.964,77.636 42.814,78.486 43.74,78.486 44.652,79.398 Q1.1@44.652,79.698 44.429,79.921 44.429,80.388 43.015,81.802 R7.2@42.965,81.802
NetQ1_3: Q1.3 R5.1 U3.3 | length 6.5
  Top Layer w0.254: U3.3@40.367,75.728 41.438,75.728 42.185,76.475 43.479,76.475 43.702,76.698 Q1.3@43.702,76.798 ; Q1.3@43.702,76.998 Q1.3@43.702,76.798 ; R5.1@44.552,74.76 44.552,76.148 43.952,76.748 43.752,76.748 Q1.3@43.702,76.798
NetQ2_1: Q2.1 R21.2 R24.2 | length 3.7
  Top Layer w0.254: R21.2@68.393,102.578 68.417,102.554 Q2.1@68.417,98.924
NetQ2_3: Q2.3 R18.1 | length 3
  Top Layer w0.3: Q2.3@67.467,96.224 67.467,96.393 67.667,96.593 R18.1@70.254,96.593
NetQ3_1: Q3.1 R22.2 R25.2 | length 4
  Top Layer w0.254: R22.2@75.133,78.122 75.297,77.958 Q3.1@79.101,77.958
NetQ4_1: Q4.1 R23.2 R26.2 | length 4
  Top Layer w0.254: R23.2@75.133,74.494 75.163,74.464 Q4.1@79.115,74.464
NetQ5_1: Q5.1 R41.2 R47.2 | length 3.9
  Top Layer w0.254: Q5.1@70.867,65.227 70.867,69.108 R41.2@70.868,69.11
NetQ5_3: Q5.3 U8.2 | length 15.9
  Top Layer w0.254: Q5.3@69.917,62.527 69.917,62.351 70.14,62.128 v2(71.044,62.128)
  Layer 3 w0.254: v2(71.044,62.128) 71.044,63.59 73.24,65.786 81.216,65.786 U8.2@82.575,64.427
NetQ6_1: Q6.1 R74.2 R75.2 | length 4.7
  Top Layer w0.3: R74.2@49.047,66.739 49.047,66.689 49.947,65.79 R75.2@51.245,65.79 51.145,65.89 Q6.1@51.145,67.84
NetQ7_1: Q7.1 U16.6 | length 2.9
  Top Layer w0.3: Q7.1@74.497,117.645 74.497,117.945 74.726,118.174 U16.6@77.05,118.174
NetQ7_2: Q7.2 U16.5 | length 5.1
  Top Layer w0.3: Q7.2@72.597,117.645 72.597,117.945 73.476,118.824 U16.5@77.05,118.824
NetQ8_1: Q8.1 R85.2 R88.2 | length 3.6
  Top Layer w0.5: Q8.1@43.305,89.621 43.323,89.603 43.323,87.889 R88.2@43.34,87.871 R85.2@43.34,86.079
NetQ9_1: Q9.1 R86.2 R89.2 | length 3.6
  Top Layer w0.35: Q9.1@30.807,89.621 30.807,88.028 R89.2@30.964,87.871 R86.2@30.964,86.079
NetQ10_1: Q10.1 R97.2 R99.2 | length 3.6
  Top Layer w0.35: Q10.1@34.973,89.621 34.973,87.987 R99.2@35.089,87.871 R97.2@35.089,86.079
NetQ11_1: Q11.1 R98.2 R101.2 | length 3.6
  Top Layer w0.35: Q11.1@39.139,89.621 39.139,87.946 R101.2@39.215,87.871 R98.2@39.215,86.079
NetR8_2: R8.2 U4.5 | length 3
  Top Layer w0.254: U4.5@41.123,57.291 42.526,57.291 43.606,56.211 R8.2@43.656,56.211
NetR11_1: R11.1 U4.15 | length 2.8
  Top Layer w0.254: R11.1@35.497,58.041 35.747,57.791 U4.15@38.173,57.791
NetR12_2: R12.2 U4.12 | length 13.8
  Top Layer w0.254: v2(38.585,63.144) 38.898,62.831 U4.12@38.898,59.516 ; v2(42.845,63.271) 43.332,63.271 R12.2@43.705,63.644
  Layer 3 w0.254: v2(38.585,63.144) 38.585,60.688 ccw(c38.839,60.688) 38.659,60.508 38.749,60.418 ccw(c38.928,60.598) 38.928,60.344 41.337,60.344 ccw(c41.337,60.598) 41.517,60.418 42.771,61.672 ccw(c42.591,61.852) 42.845,61.852 v2(42.845,63.271)
NetR13_2: R13.2 U4.6 | length 2.6
  Top Layer w0.254: U4.6@41.123,57.791 43.423,57.791 R13.2@43.656,58.024
NetR14_2: R14.2 U4.4 U14.37 | length 56.5
  Top Layer w0.254: U4.4@40.398,56.566 41.439,56.566 43.606,54.398 R14.2@43.656,54.398 43.926,54.128 43.926,50.747 v2(43.96,50.597) ; v2(65.104,81.391) 65.171,81.391 65.367,81.587 U14.37@66.894,81.587
  Layer 3 w0.254: v2(43.96,50.597) 44.076,50.727 44.769,51.419 51.233,57.883 ccw(c51.054,58.064) 51.308,58.064 51.308,79.446 cw(c51.562,79.446) 51.382,79.626 51.844,80.087 54.569,80.087 ccw(c54.569,80.341) 54.749,80.162 55.903,81.316 cw(c56.083,81.137) 56.082,81.391 ; 56.083,81.391 v2(65.104,81.391)
NetR15_2: R15.2 U4.14 | length 3.3
  Top Layer w0.254: R15.2@35.497,59.872 36.436,58.932 cw(c36.257,58.752) 36.458,58.908 36.518,58.831 ccw(c36.718,58.988) 36.537,58.809 36.538,58.808 37.056,58.291 U4.14@38.173,58.291
NetR21_1: R21.1 U14.50 | length 15.2
  Top Layer w0.254: U14.50@64.464,89.017 64.464,101.529 65.513,102.578 R21.1@66.693,102.578
NetR22_1: R22.1 U14.62 | length 23.8
  Top Layer w0.254: U14.62@58.464,89.017 58.464,85.931 ccw(c58.718,85.932) 58.537,85.754 60.704,83.588 ccw(c60.883,83.767) 60.915,83.515 60.929,83.517 ; 60.929,83.517 v2(62.485,83.517) ; v2(70.995,78.989) 70.995,78.953 71.07,78.878 71.07,78.762 71.194,78.638 73.336,76.496 ccw(c73.516,76.676) 73.516,76.422 R22.1@75.133,76.422
  Layer 3 w0.254: v2(62.485,83.517) 62.805,83.197 66.651,83.197 70.86,78.989 v2(70.995,78.989)
NetR23_1: R23.1 U14.33 | length 12.5
  Top Layer w0.254: U14.33@66.894,79.587 69.395,79.587 73.431,75.551 73.431,73.232 ccw(c73.685,73.232) 73.506,73.052 73.764,72.794 R23.1@75.133,72.794
NetR33_1: R33.1 U6.2 U6.4 U6.5 | length 20.8
  Top Layer w0.4: R33.1@102.438,71.337 102.422,71.321 102.422,70.187 101.628,69.393 101.628,64.733 101.863,64.499 U6.4@104.649,64.499 104.627,64.476 104.627,63.506 104.861,63.271 109.955,63.271 110.189,63.506 U6.5@110.189,64.499 ; v2(103.553,67.039) U6.2@104.649,67.039
  Layer 3 w0.4: v2(101.652,67.039) v2(103.553,67.039)
NetR35_1: R35.1 U8.1 | length 6.7
  Top Layer w0.254: R35.1@70.767,60.452 70.817,60.452 71.749,61.385 71.749,61.83 v2(71.796,61.877)
  Layer 3 w0.254: v2(71.796,61.877) 71.796,62.896 73.314,64.414 U8.1@74.955,64.414
NetR37_2: R37.2 U9.1 | length 1.9
  Top Layer w0.5: R37.2@47.508,42.931 47.601,42.839 49.255,42.839 49.31,42.784 U9.1@49.31,42.746
NetR38_2: R38.2 U10.1 | length 1.8
  Top Layer w0.381: R38.2@58.732,42.931 60.335,42.931 60.449,42.817 U10.1@60.449,42.746
NetR39_2: R39.2 U11.1 | length 1.9
  Top Layer w0.5: R39.2@53.12,42.931 54.824,42.931 54.879,42.876 U11.1@54.879,42.746
NetR40_2: R40.2 U12.1 | length 1.9
  Top Layer w0.5: R40.2@41.896,42.931 41.989,42.839 43.685,42.839 43.74,42.784 U12.1@43.74,42.746
NetR58_1: R58.1 R60.2 U14.25 | length 34.1
  Top Layer w0.254: U14.25@61.464,77.657 61.464,75.874 v2(61.574,75.764) ; R58.1@89.657,72.857 89.657,70.58 89.659,70.578 89.659,70.528 90.032,70.155 R60.2@90.082,70.155
  Layer 3 w0.254: v2(61.574,75.764) 64.481,72.857 R58.1@89.657,72.857
NetR71_1: R71.1 U14.60 | length 4.7
  Top Layer w0.254: R71.1@57.288,91.912 58.892,91.912 59.464,91.34 U14.60@59.464,89.017
NetR73_2: R73.2 U14.7 | length 4.3
  Top Layer w0.254: R73.2@51.265,84.235 51.337,84.162 ccw(c51.517,84.341) 51.517,84.087 53.364,84.087 U14.7@55.534,84.087
NetR76_1: R76.1 U15.6 | length 5
  Top Layer w0.4: U15.6@81.845,112.166 83.774,112.166 84.379,112.771 R76.1@84.379,114.999
NetR76_2: R76.2 U16.2 | length 3
  Top Layer w0.4: U16.2@81.7,117.524 83.604,117.524 84.379,116.749 R76.2@84.379,116.699
NetR77_2: R77.2 R78.1 | length 2.3
  Top Layer w0.5: R78.1@77.228,121.717 R77.2@79.566,121.717
NetR80_2: R80.2 R81.1 | length 1.9
  Top Layer w0.5: R81.1@60.349,119.666 R80.2@60.349,121.571
NetR90_2: R90.2 R91.1 | length 1.9
  Top Layer w0.5: R91.1@45.307,119.659 45.313,119.665 45.313,121.559 R90.2@45.319,121.564
NetR94_2: R94.2 R95.1 | length 1.9
  Top Layer w0.5: R95.1@55.086,119.659 R94.2@55.086,121.564
NetR102_2: R102.2 R103.1 | length 1.9
  Top Layer w0.5: R103.1@50.26,119.659 R102.2@50.26,121.564
NetR106_1: R106.1 R109.2 U18.1 | length 5.9
  Top Layer w0.35: R109.2@24.689,114.408 24.689,111.86 25.205,111.343 U18.1@25.884,111.343 ; R106.1@24.689,116.301 24.689,114.498 ccw(c25.039,114.498) R109.2@24.701,114.408
NetR110_1: R110.1 U18.4 | length 14.6
  Top Layer w0.3: U18.4@25.884,105.343 28.083,105.343 29.083,104.343 29.083,95.949 27.666,94.532 27.666,94.482 27.316,94.132 R110.1@27.266,94.132
NTC: R10.1 U4.1 | length 4.3
  Top Layer w0.254: R10.1@35.497,54.437 35.547,54.437 37.675,56.566 U4.1@38.898,56.566